# KiCad board pcb-panel.kicad_pcb (continued)
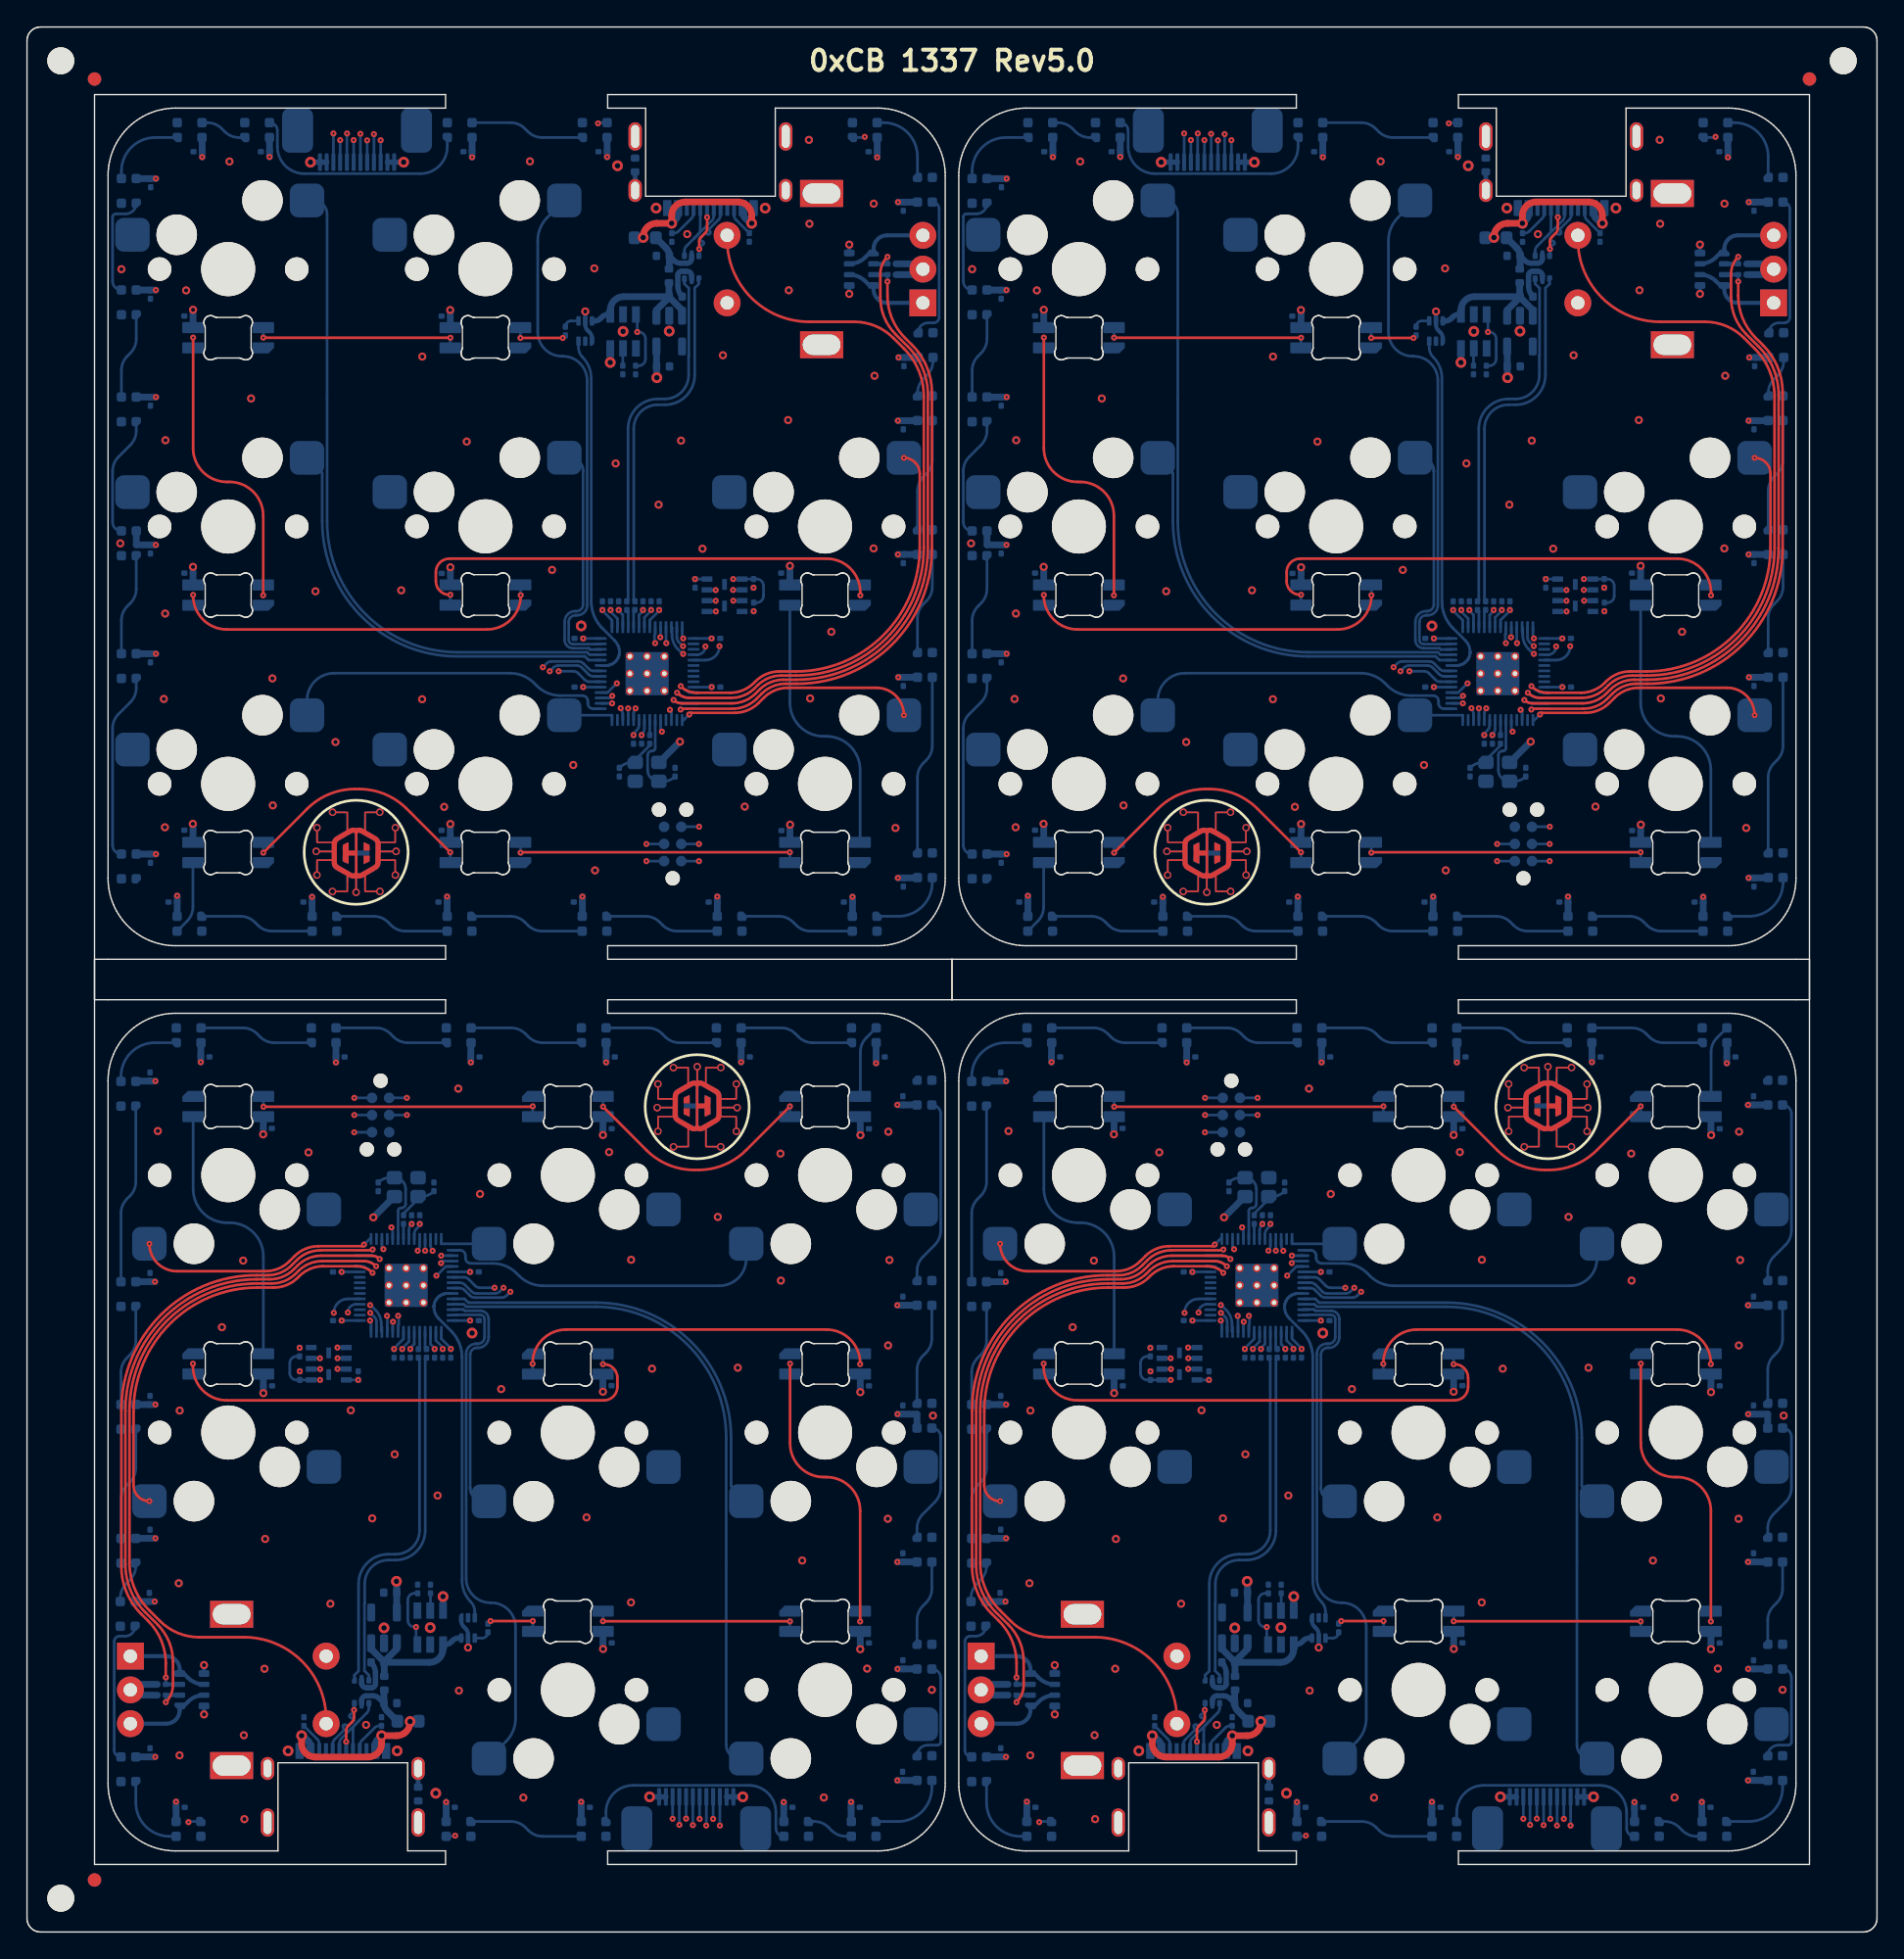
[diagram p0: board, top side]
## Nets (continued)
Board_2-/RGB_PWR: C1#2.1 C2#3.1 C3#3.1 C4#4.1 C5.1 C6#4.1 C9#3.1 C12#2.1 C13#4.1 C14#3.1 C15#4.1 C16#2.1 C18#3.1 C19#3.1 C20#3.1 C28#3.1 C29#4.1 C30#4.1 C31#4.1 C36#4.1 C41#3.1 C42#3.1 C43#2.1 C44#2.1 C45#3.1 C46#4.1 C47.1 C48#3.1 C49#3.1 C50#4.1 C51#3.1 D1#3.1 D2#4.1 D3#2.1 D4#3.1 D5.1 D6#3.1 D7#2.1 D8#4.1 D9#3.4 D10#3.4 D11#2.4 D12#4.4 D13#2.4 D14#3.4 D15#4.4 D16#3.4 D17#2.4 D18#4.4 D19.4 D20.4 D21#3.4 D22#4.4 D23#3.4 D24#3.4 D25.4 D26.4 D27#4.4 D28#4.4 D29.4 D30#2.4 D31#2.4 U3#3.6
Board_2-/RST: J3#2.3 U6#4.26
Board_2-/S1: MX1#2.2 U6#4.39
Board_2-/S2: MX2.2 U6#4.41
Board_2-/S3: MX3#3.S1 U6#4.12
Board_2-/S4: MX4#3.2 U6#4.38
Board_2-/S5: MX5#3.2 U6#4.40
Board_2-/S6: MX6#3.2 U6#4.11
Board_2-/S7: MX7#3.2 U6#4.29
Board_2-/S8: MX8#4.2 U6#4.28
Board_2-/S9: MX9#2.2 U6#4.15
Board_2-/SCL1: J2#3.4 U6#4.5
Board_2-/SDA1: J2#3.3 U6#4.4
Board_2-/SPI0_CS: J2#3.5 U6#4.32
Board_2-/SPI0_DC: J2#3.6 U6#4.30
Board_2-/SPI0_RST: J2#3.9 U6#4.36
Board_2-/SPI0_SCK: J2#3.10 U6#4.34
Board_2-/SPI0_SDI: J2#3.8 U6#4.31
Board_2-/SPI0_SDO: J2#3.7 U6#4.35
Board_2-/SWD_CLK: J3#2.4 U6#4.24
Board_2-/SWD_IO: J3#2.2 U6#4.25
Board_2-/USB+: R8#2.1 U1#3.1
Board_2-/USB-: R9#3.1 U1#3.3
Board_2-GND: C1#2.2 C2#3.2 C3#3.2 C4#4.2 C5.2 C6#4.2 C7#2.2 C8.2 C9#3.2 C10#3.2 C11.2 C12#2.2 C13#4.2 C14#3.2 C15#4.2 C16#2.2 C17#3.2 C18#3.2 C19#3.2 C20#3.2 C21#3.2 C22#3.1 C23#3.2 C24#4.2 C25#3.2 C26#4.1 C27#2.2 C28#3.2 C29#4.2 C30#4.2 C31#4.2 C32#4.2 C33#3.2 C34#2.2 C35#3.2 C36#4.2 C37#4.1 C38.2 C39#2.2 C40#3.1 C41#3.2 C42#3.2 C43#2.2 C44#2.2 C45#3.2 C46#4.2 C47.2 C48#3.2 C49#3.2 C50#4.2 C51#3.2 D1#3.3 D2#4.3 D3#2.3 D4#3.3 D5.3 D6#3.3 D7#2.3 D8#4.3 D9#3.2 D10#3.2 D11#2.2 D12#4.2 D13#2.2 D14#3.2 D15#4.2 D16#3.2 D17#2.2 D18#4.2 D19.2 D20.2 D21#3.2 D22#4.2 D23#3.2 D24#3.2 D25.2 D26.2 D27#4.2 D28#4.2 D29.2 D30#2.2 D31#2.2 FB1#4.2 J1#4.A1 J1#4.A12 J1#4.B1 J1#4.B12 J2#3.1 J2#3.2 J3#2.5 MX1#2.1 MX2.1 MX3#3.C MX3#3.S2 MX4#3.1 MX5#3.1 MX6#3.1 MX7#3.1 MX8#4.1 MX9#2.1 R1#3.1 R2#2.1 R4#2.1 R5#3.2 U1#3.2 U2#4.2 U3#3.2 U4#2.2 U5#4.4 U5#4.9 U5#4.10 U6#4.19 U6#4.57 Y1#3.2 Y1#3.4
Board_2-Net-(C40-Pad2): C40#3.2 R10.1 Y1#3.1
Board_2-Net-(D1-DIN): D1#3.4 D2#4.2
Board_2-Net-(D1-DOUT): D1#3.2 D3#2.4
Board_2-Net-(D3-DOUT): D3#2.2 D4#3.4
Board_2-Net-(D4-DOUT): D4#3.2 D5.4
Board_2-Net-(D5-DOUT): D5.2 D8#4.4
Board_2-Net-(D6-DIN): D6#3.4 D7#2.2
Board_2-Net-(D7-DIN): D7#2.4 D8#4.2
Board_2-Net-(D10-DIN): D9#3.1 D10#3.3
Board_2-Net-(D10-DOUT): D10#3.1 D11#2.3
Board_2-Net-(D11-DOUT): D11#2.1 D12#4.3
Board_2-Net-(D12-DOUT): D12#4.1 D13#2.3
Board_2-Net-(D13-DOUT): D13#2.1 D15#4.3
Board_2-Net-(D14-DIN): D14#3.3 D16#3.1
Board_2-Net-(D14-DOUT): D9#3.3 D14#3.1
Board_2-Net-(D15-DOUT): D15#4.1 D17#2.3
Board_2-Net-(D16-DIN): D16#3.3 D18#4.1
Board_2-Net-(D17-DOUT): D17#2.1 D19.3
Board_2-Net-(D18-DIN): D18#4.3 D20.1
Board_2-Net-(D19-DOUT): D19.1 D21#3.3
Board_2-Net-(D20-DIN): D20.3 D22#4.1
Board_2-Net-(D21-DOUT): D21#3.1 D23#3.3
Board_2-Net-(D22-DIN): D22#4.3 D24#3.1
Board_2-Net-(D23-DOUT): D23#3.1 D25.3
Board_2-Net-(D24-DIN): D24#3.3 D26.1
Board_2-Net-(D26-DIN): D26.3 D27#4.1
Board_2-Net-(D27-DIN): D27#4.3 D28#4.1
Board_2-Net-(D28-DIN): D28#4.3 D29.1
Board_2-Net-(D29-DIN): D29.3 D30#2.1
Board_2-Net-(D30-DIN): D30#2.3 D31#2.1
Board_2-Net-(D31-DIN): D6#3.2 D31#2.3
Board_2-Net-(F1-Pad1): F1.1 J1#4.A4 J1#4.A9 J1#4.B4 J1#4.B9
Board_2-Net-(J1-CC1): J1#4.A5 R2#2.2
Board_2-Net-(J1-CC2): J1#4.B5 R1#3.2
Board_2-Net-(J1-SHIELD): FB1#4.1 J1#4.S1
Board_2-Net-(RN1A-R1.1): MX3#3.B RN1#3.1 RN1#3.7
Board_2-Net-(RN1C-R3.2): MX3#3.A RN1#3.4 RN1#3.6
Board_2-Net-(U1-VBUS): C10#3.1 F1.2 FB2#3.1 U1#3.5
Board_2-Net-(U3-ILIM): R5#3.1 U3#3.5
Board_2-Net-(U4-B): R3#4.1 U4#2.4
Board_2-Net-(U6-XTAL_IN): C37#4.2 U6#4.20 Y1#3.3
Board_2-Net-(U6-XTAL_OUT): R10.2 U6#4.21
Board_2-unconnected-(D25-DOUT-Pad1): D25.1
Board_2-unconnected-(J1-SBU1-PadA8): J1#4.A8
Board_2-unconnected-(J1-SBU2-PadB8): J1#4.B8
Board_2-unconnected-(U2-NC-Pad4): U2#4.4
Board_2-unconnected-(U3-~{FAULT}-Pad4): U3#3.4
Board_2-unconnected-(U6-GPIO0-Pad2): U6#4.2
Board_2-unconnected-(U6-GPIO1-Pad3): U6#4.3
Board_2-unconnected-(U6-GPIO4-Pad6): U6#4.6
Board_2-unconnected-(U6-GPIO5-Pad7): U6#4.7
Board_2-unconnected-(U6-GPIO6-Pad8): U6#4.8
Board_2-unconnected-(U6-GPIO7-Pad9): U6#4.9
Board_2-unconnected-(U6-GPIO13-Pad16): U6#4.16
Board_2-unconnected-(U6-GPIO15-Pad18): U6#4.18
Board_2-unconnected-(U6-GPIO16-Pad27): U6#4.27
Board_3-+1V1: C22#4.2 C25#4.1 C39#3.1 U6.23 U6.45 U6.50
Board_3-+3V3: C17#4.1 C21#2.1 C23#4.1 C24#2.1 C26.2 C27#3.1 C32#2.1 C33#4.1 C34#4.1 C35.1 C38#2.1 J2#4.11 J2#4.12 J3#3.1 R7#3.1 RN1.5 RN1.8 U2.5 U4#4.1 U4#4.5 U5.8 U6.1 U6.10 U6.22 U6.33 U6.42 U6.43 U6.44 U6.48 U6.49
Board_3-+5V: C11#2.1 FB2#4.2 U2.1 U2.3 U3#2.1 U4#4.6
Board_3-/BOOT: J3#3.6 R6.2
Board_3-/D+: R8#4.2 U6.47
Board_3-/D-: R9#4.2 U6.46
Board_3-/EA: C7.1 RN1.2 U6.13
Board_3-/EB: C8#2.1 RN1.3 U6.14
Board_3-/LIM_EN: R4#4.2 U3#2.3 U6.17
Board_3-/PORT+: J1#3.A6 J1#3.B6 U1.6
Board_3-/PORT-: J1#3.A7 J1#3.B7 U1.4
Board_3-/QSPI_CLK: U5.6 U6.52
Board_3-/QSPI_CS: R6.1 R7#3.2 U5.1 U6.56
Board_3-/QSPI_SD0: U5.5 U6.53
Board_3-/QSPI_SD1: U5.2 U6.55
Board_3-/QSPI_SD2: U5.3 U6.54
Board_3-/QSPI_SD3: U5.7 U6.51
Board_3-/RGB_5V: D2.4 R3#3.2
Board_3-/RGB_DO: U4#4.3 U6.37
Board_3-/RGB_PWR: C1#4.1 C2#4.1 C3#2.1 C4#2.1 C5#3.1 C6#3.1 C9#4.1 C12.1 C13#2.1 C14#2.1 C15#3.1 C16#4.1 C18#4.1 C19#2.1 C20.1 C28#2.1 C29#3.1 C30.1 C31#3.1 C36.1 C41#4.1 C42#4.1 C43.1 C44.1 C45#4.1 C46.1 C47#4.1 C48#4.1 C49.1 C50.1 C51#4.1 D1#4.1 D2.1 D3#4.1 D4#4.1 D5#2.1 D6#4.1 D7.1 D8#3.1 D9#4.4 D10#4.4 D11#4.4 D12#2.4 D13#4.4 D14.4 D15.4 D16#2.4 D17#3.4 D18.4 D19#3.4 D20#4.4 D21#4.4 D22#3.4 D23#4.4 D24#4.4 D25#2.4 D26#2.4 D27#2.4 D28#2.4 D29#4.4 D30#4.4 D31#3.4 U3#2.6
Board_3-/RST: J3#3.3 U6.26
Board_3-/S1: MX1#4.2 U6.39
Board_3-/S2: MX2#3.2 U6.41
Board_3-/S3: MX3.S1 U6.12
Board_3-/S4: MX4#4.2 U6.38
Board_3-/S5: MX5#4.2 U6.40
Board_3-/S6: MX6#4.2 U6.11
Board_3-/S7: MX7#4.2 U6.29
Board_3-/S8: MX8.2 U6.28
Board_3-/S9: MX9#3.2 U6.15
Board_3-/SCL1: J2#4.4 U6.5
Board_3-/SDA1: J2#4.3 U6.4
Board_3-/SPI0_CS: J2#4.5 U6.32
Board_3-/SPI0_DC: J2#4.6 U6.30
Board_3-/SPI0_RST: J2#4.9 U6.36
Board_3-/SPI0_SCK: J2#4.10 U6.34
Board_3-/SPI0_SDI: J2#4.8 U6.31
Board_3-/SPI0_SDO: J2#4.7 U6.35
Board_3-/SWD_CLK: J3#3.4 U6.24
Board_3-/SWD_IO: J3#3.2 U6.25
Board_3-/USB+: R8#4.1 U1.1
Board_3-/USB-: R9#4.1 U1.3
Board_3-GND: C1#4.2 C2#4.2 C3#2.2 C4#2.2 C5#3.2 C6#3.2 C7.2 C8#2.2 C9#4.2 C10#4.2 C11#2.2 C12.2 C13#2.2 C14#2.2 C15#3.2 C16#4.2 C17#4.2 C18#4.2 C19#2.2 C20.2 C21#2.2 C22#4.1 C23#4.2 C24#2.2 C25#4.2 C26.1 C27#3.2 C28#2.2 C29#3.2 C30.2 C31#3.2 C32#2.2 C33#4.2 C34#4.2 C35.2 C36.2 C37.1 C38#2.2 C39#3.2 C40#4.1 C41#4.2 C42#4.2 C43.2 C44.2 C45#4.2 C46.2 C47#4.2 C48#4.2 C49.2 C50.2 C51#4.2 D1#4.3 D2.3 D3#4.3 D4#4.3 D5#2.3 D6#4.3 D7.3 D8#3.3 D9#4.2 D10#4.2 D11#4.2 D12#2.2 D13#4.2 D14.2 D15.2 D16#2.2 D17#3.2 D18.2 D19#3.2 D20#4.2 D21#4.2 D22#3.2 D23#4.2 D24#4.2 D25#2.2 D26#2.2 D27#2.2 D28#2.2 D29#4.2 D30#4.2 D31#3.2 FB1#3.2 J1#3.A1 J1#3.A12 J1#3.B1 J1#3.B12 J2#4.1 J2#4.2 J3#3.5 MX1#4.1 MX2#3.1 MX3.C MX3.S2 MX4#4.1 MX5#4.1 MX6#4.1 MX7#4.1 MX8.1 MX9#3.1 R1#4.1 R2#4.1 R4#4.1 R5#4.2 U1.2 U2.2 U3#2.2 U4#4.2 U5.4 U5.9 U5.10 U6.19 U6.57 Y1#4.2 Y1#4.4
Board_3-Net-(C40-Pad2): C40#4.2 R10#2.1 Y1#4.1
Board_3-Net-(D1-DIN): D1#4.4 D2.2
Board_3-Net-(D1-DOUT): D1#4.2 D3#4.4
Board_3-Net-(D3-DOUT): D3#4.2 D4#4.4
Board_3-Net-(D4-DOUT): D4#4.2 D5#2.4
Board_3-Net-(D5-DOUT): D5#2.2 D8#3.4
Board_3-Net-(D6-DIN): D6#4.4 D7.2
Board_3-Net-(D7-DIN): D7.4 D8#3.2
Board_3-Net-(D10-DIN): D9#4.1 D10#4.3
Board_3-Net-(D10-DOUT): D10#4.1 D11#4.3
Board_3-Net-(D11-DOUT): D11#4.1 D12#2.3
Board_3-Net-(D12-DOUT): D12#2.1 D13#4.3
Board_3-Net-(D13-DOUT): D13#4.1 D15.3
Board_3-Net-(D14-DIN): D14.3 D16#2.1
Board_3-Net-(D14-DOUT): D9#4.3 D14.1
Board_3-Net-(D15-DOUT): D15.1 D17#3.3
Board_3-Net-(D16-DIN): D16#2.3 D18.1
Board_3-Net-(D17-DOUT): D17#3.1 D19#3.3
Board_3-Net-(D18-DIN): D18.3 D20#4.1
Board_3-Net-(D19-DOUT): D19#3.1 D21#4.3
Board_3-Net-(D20-DIN): D20#4.3 D22#3.1
Board_3-Net-(D21-DOUT): D21#4.1 D23#4.3
Board_3-Net-(D22-DIN): D22#3.3 D24#4.1
Board_3-Net-(D23-DOUT): D23#4.1 D25#2.3
Board_3-Net-(D24-DIN): D24#4.3 D26#2.1
Board_3-Net-(D26-DIN): D26#2.3 D27#2.1
Board_3-Net-(D27-DIN): D27#2.3 D28#2.1
Board_3-Net-(D28-DIN): D28#2.3 D29#4.1
Board_3-Net-(D29-DIN): D29#4.3 D30#4.1
Board_3-Net-(D30-DIN): D30#4.3 D31#3.1
Board_3-Net-(D31-DIN): D6#4.2 D31#3.3
Board_3-Net-(F1-Pad1): F1#3.1 J1#3.A4 J1#3.A9 J1#3.B4 J1#3.B9
Board_3-Net-(J1-CC1): J1#3.A5 R2#4.2
Board_3-Net-(J1-CC2): J1#3.B5 R1#4.2
Board_3-Net-(J1-SHIELD): FB1#3.1 J1#3.S1
Board_3-Net-(RN1A-R1.1): MX3.B RN1.1 RN1.7
Board_3-Net-(RN1C-R3.2): MX3.A RN1.4 RN1.6
Board_3-Net-(U1-VBUS): C10#4.1 F1#3.2 FB2#4.1 U1.5
Board_3-Net-(U3-ILIM): R5#4.1 U3#2.5
Board_3-Net-(U4-B): R3#3.1 U4#4.4
Board_3-Net-(U6-XTAL_IN): C37.2 U6.20 Y1#4.3
Board_3-Net-(U6-XTAL_OUT): R10#2.2 U6.21
Board_3-unconnected-(D25-DOUT-Pad1): D25#2.1
Board_3-unconnected-(J1-SBU1-PadA8): J1#3.A8
Board_3-unconnected-(J1-SBU2-PadB8): J1#3.B8
Board_3-unconnected-(U2-NC-Pad4): U2.4
Board_3-unconnected-(U3-~{FAULT}-Pad4): U3#2.4
Board_3-unconnected-(U6-GPIO0-Pad2): U6.2
Board_3-unconnected-(U6-GPIO1-Pad3): U6.3
Board_3-unconnected-(U6-GPIO4-Pad6): U6.6
Board_3-unconnected-(U6-GPIO5-Pad7): U6.7
Board_3-unconnected-(U6-GPIO6-Pad8): U6.8
Board_3-unconnected-(U6-GPIO7-Pad9): U6.9
Board_3-unconnected-(U6-GPIO13-Pad16): U6.16
Board_3-unconnected-(U6-GPIO15-Pad18): U6.18
Board_3-unconnected-(U6-GPIO16-Pad27): U6.27

Pads without a net: J1 S2 S3 S4; J1#2 S2 S3 S4; J1#3 S2 S3 S4; J1#4 S2 S3 S4; J2 13 14; J2#2 13 14; J2#3 13 14; J2#4 13 14; MX3 MP; MX3#2 MP; MX3#3 MP; MX3#4 MP

## Via types
v1: diameter 0.45, hole 0.15, Top to Bottom, 416 vias
v2: diameter 0.8, hole 0.4, Top to Bottom, 52 vias
v3: diameter 0.6, hole 0.3, Top to Bottom, 208 vias

## Routing (per net, layer and track width the routed paths; a pad name or vN(x,y) marks a point on that pad's centre or on a via; arc(x,y) is an arc through that point)
Board_0-+1V1: length 4.2
  Bottom w0.2: U6#3.50 46.12,97.1 46.82,97.8 v1(46.82,97.85) C25.1 ; U6#3.45 44.12,97.49 43.82,97.8 v1(43.82,97.85) C22.2 ; U6#3.23 45.32,89.35 arc(45.28,89.13) 45.15,88.94 44.92,88.71 v1(44.92,88.6) C39#4.1
Board_0-+3V3: length 21.7
  Bottom w0.2: U6#3.10 50.7,92.14 v1(50.7,92.15) ; v1(41.19,95.75) 41.19,95.74 U6#3.42 ; U6#3.49 45.72,97.3 46.22,97.8 v1(46.22,97.85) C21#4.1 ; U5#2.8 49.47,100.14 v1(49.47,100.14) ; v1(50.7,95.75) 50.69,95.74 U6#3.1 ; C23.1 v1(45.62,97.85) 45.62,97.77 45.32,97.48 U6#3.48 ; U6#3.44 43.72,97.22 43.22,97.72 v1(43.22,97.85) C26#2.2 ; v1(45.87,79.26) 47.18,79.26 ; U6#3.33 41.19,92.14 v1(41.19,92.15) ; U6#3.43 43.32,97.09 42.62,97.8 v1(42.62,97.85) ; C38#4.1 v1(45.52,88.6) arc(45.67,88.82) 45.72,89.09 U6#3.22
  Bottom w0.3: U4#3.1 41.84,117.97 arc(41.8,118.2) 41.67,118.4 41.52,118.55 arc(41.39,118.74) 41.34,118.97 U4#3.5 v3(41.34,119.95) ; RN1#4.5 v3(60.89,121.25) ; v3(60.89,124.9) RN1#4.8
  Bottom w0.35: 46.62,117.34 U2#2.5
  Bottom w0.4: v2(27.89,131) J2.12 J2.11
  Bottom w0.5: 46.62,117.34 C17.1 46.62,115.07 v2(46.64,115.05)
  vias: v1(53.8,99.5)
Board_0-+5V: length 11.5
  Bottom w0.4: U4#3.6 42.05,119.25 arc(42.28,119.29) 42.47,119.42 42.6,119.55 arc(42.79,119.68) 43.02,119.73 U3#4.1
  Bottom w0.5: U3#4.1 43.19,120.05 arc(43.48,120.75) 44.19,121.05 C11#4.1 ; 47.58,121.11 47.58,121.02 46.61,120.05 U2#2.1 ; 47.58,121.11 47.58,120.98 48.51,120.05 U2#2.3 ; 47.58,121.11 47.54,121.15 FB2.2
Board_0-/BOOT: length 19.6
  In2.Cu w0.2: v1(53.81,97.76) 53.81,89.36 arc(53.24,87.99) 51.87,87.42 arc(50.39,86.81) 49.77,85.32 v1(49.77,81.81)
  Bottom w0.2: J3#4.6 48.46,81.81 v1(49.77,81.81) ; R6#4.2 v1(53.81,97.76)
Board_0-/D+: length 1.3
  Bottom w0.2: R8#3.2 44.92,97.76 U6#3.47
Board_0-/D-: length 1.3
  Bottom w0.2: R9.2 44.52,97.75 U6#3.46
Board_0-/EA: length 50.8
  Top w0.2: v1(47.88,91.19) arc(48.16,91.01) 48.48,90.94 52.2,90.94 arc(53.15,91.13) 53.96,91.67 54.25,91.96 arc(55.06,92.5) 56.02,92.69 56.97,92.69 arc(63.86,95.54) 66.71,102.43 66.71,113.8 arc(66.33,115.71) 65.25,117.33 64.32,118.26 arc(63.49,119.51) 63.19,120.99 63.19,122.71 arc(63.33,123.4) v1(63.72,123.99)
  Bottom w0.2: U6#3.13 48.48,90.94 arc(48.16,91.01) v1(47.88,91.19) ; v1(63.72,123.99) C7#4.1
  Bottom w0.3: RN1#4.2 C7#4.1
Board_0-/EB: length 48.1
  Top w0.2: v1(48.4,90.48) 48.46,90.54 52.26,90.54 arc(53.21,90.73) 54.02,91.27 54.41,91.66 arc(55.22,92.2) 56.18,92.39 57.01,92.39 arc(64.08,95.32) 67.01,102.39 67.01,113.92 arc(66.63,115.83) 65.55,117.46 65.01,117.99 arc(64.06,119.42) 63.72,121.11 v1(63.72,122.16)
  Bottom w0.2: v1(48.4,90.48) 48.46,90.54 U6#3.14 ; v1(63.72,122.16) C8#3.1
  Bottom w0.3: C8#3.1 RN1#4.3
Board_0-/LIM_EN: length 35.2
  In1.Cu w0.2: v1(45.19,118.43) 45.19,92.08 arc(45.67,90.94) 46.81,90.46 v1(47.61,90.46)
  Bottom w0.2: v1(47.61,90.46) 47.72,90.35 U6#3.17 ; U3#4.3 45.19,119.63 v1(45.19,118.43) 45.3,118.43 arc(45.65,118.28) 45.8,117.93 45.8,116.43 arc(45.65,116.08) 45.3,115.93 R4#3.2
Board_0-/PORT+: length 8.1
  Top w0.2: v1(49.78,124.57) 49.78,125.1 arc(49.82,125.3) 49.93,125.46 50.22,125.75 arc(50.33,125.91) 50.36,126.1 v1(50.36,126.92)
  Bottom w0.2: J1#2.B6 51.36,127.1 arc(51.32,126.91) 51.21,126.74 50.57,126.1 arc(50.53,126) 50.57,125.9 arc(50.61,125.8) 50.57,125.7 50.56,125.69 arc(50.46,125.64) 50.36,125.69 arc(50.26,125.73) 50.16,125.69 49.78,125.31 arc(49.82,125.2) 49.93,125.16 49.97,125.16 arc(50.08,125.12) 50.12,125.01 arc(50.08,124.9) 49.97,124.86 49.93,124.86 arc(49.82,124.82) 49.78,124.71 v1(49.78,124.57) 49.78,124.09 U1#4.6 ; J1#2.A6 50.36,126.92 v1(50.36,126.92)
Board_0-/PORT-: length 6.8
  Bottom w0.2: J1#2.A7 50.86,127.02 arc(50.82,126.83) 50.71,126.67 49.4,125.35 ; 49.4,125.35 49.71,125.67 arc(49.82,125.83) 49.86,126.02 J1#2.B7 ; 49.4,125.35 48.83,124.78 arc(48.72,124.62) 48.68,124.43 U1#4.4
Board_0-/QSPI_CLK: length 8.8
  In1.Cu w0.2: v1(51,98.53) 50.26,98.53 arc(50.16,98.57) 50.12,98.67 arc(50.08,98.77) 49.98,98.81 49.95,98.81 arc(49.85,98.77) 49.81,98.67 49.81,98.43 arc(49.78,98.36) 49.71,98.33 49.61,98.33 arc(49.54,98.36) 49.51,98.43 arc(49.48,98.5) 49.41,98.53 48.91,98.53 arc(48.87,98.43) 48.91,98.34 arc(48.95,98.24) 48.91,98.14 48.89,98.11 arc(48.79,98.07) 48.69,98.11 48.51,98.29 arc(48.43,98.33) 48.35,98.29 48.3,98.24 arc(48.27,98.16) 48.3,98.08 arc(48.33,98) 48.3,97.92 48.26,97.88 arc(48.18,97.84) 48.1,97.88 arc(48.02,97.91) 47.94,97.88 47.89,97.82 arc(47.85,97.74) 47.89,97.66 arc(47.92,97.59) 47.89,97.51 47.83,97.45 arc(47.75,97.42) 47.68,97.45 arc(47.6,97.49) 47.52,97.45 47.46,97.4 arc(47.43,97.32) 47.46,97.24 arc(47.5,97.16) 47.46,97.08 47.23,96.85 arc(46.98,96.48) 46.9,96.04 v1(46.9,95.83)
  Bottom w0.2: U6#3.52 46.92,95.86 v1(46.9,95.83) ; v1(51,98.53) 50.99,98.54 U5#2.6
Board_0-/QSPI_CS: length 12.4
  In1.Cu w0.2: v1(52.3,100.14) 52.02,99.86 arc(51.61,99.24) 51.46,98.51 51.46,97.78 arc(51.43,97.6) 51.33,97.46 51.29,97.42 arc(51.18,97.34) 51.04,97.32 49.66,97.32 49.61,97.27 arc(49.58,97.2) 49.61,97.13 arc(49.64,97.05) 49.61,96.98 49.54,96.91 arc(49.47,96.88) 49.39,96.91 49.25,97.05 arc(49.18,97.08) 49.11,97.05 49.01,96.95 arc(48.98,96.88) 49.01,96.81 arc(49.04,96.74) 49.01,96.67 48.74,96.4 arc(48.63,96.24) 48.6,96.05 v1(48.6,95.75)
  Bottom w0.2: v1(48.6,95.75) 48.52,95.82 U6#3.56 ; v1(52.3,100.14) 52.3,100.14 U5#2.1 52.96,100.14 R7#4.2 54.04,100.14 arc(54.39,99.99) 54.54,99.64 54.54,98.9 arc(54.39,98.54) 54.04,98.4 R6#4.1
Board_0-/QSPI_SD0: length 8.8
  In1.Cu w0.2: v1(51.01,97.74) 50.3,97.74 arc(50.2,97.78) 50.15,97.89 arc(50.11,97.99) 50.01,98.03 50,98.03 arc(49.9,97.99) 49.85,97.89 arc(49.81,97.78) 49.71,97.74 49.7,97.74 arc(49.6,97.78) 49.55,97.89 arc(49.51,97.99) 49.41,98.04 49.4,98.04 arc(49.29,97.99) 49.25,97.89 49.25,97.59 arc(49.21,97.49) 49.1,97.45 49.1,97.45 arc(48.99,97.49) 48.95,97.59 arc(48.91,97.7) 48.8,97.74 48.73,97.74 48.48,97.49 arc(48.44,97.39) 48.48,97.29 arc(48.53,97.18) 48.48,97.08 48.48,97.07 arc(48.38,97.03) 48.27,97.07 arc(48.17,97.12) 48.06,97.07 48.06,97.07 arc(48.02,96.96) 48.06,96.86 arc(48.1,96.76) 48.06,96.65 48.06,96.65 arc(47.95,96.61) 47.85,96.65 arc(47.74,96.69) 47.64,96.65 47.63,96.64 arc(47.4,96.3) 47.32,95.89 47.32,95.41 v1(47.34,95.4)
  Bottom w0.2: U5#2.5 51.01,97.74 v1(51.01,97.74) ; U6#3.53 47.32,96.58 47.32,95.41 v1(47.34,95.4)
Board_0-/QSPI_SD1: length 8.6
  In1.Cu w0.2: v1(48.58,95.18) 48.63,95.18 49.24,95.79 arc(49.28,95.89) 49.24,96 arc(49.19,96.1) 49.24,96.21 arc(49.34,96.25) 49.45,96.21 arc(49.55,96.17) 49.66,96.21 50.02,96.57 arc(50.32,96.77) 50.68,96.84 50.81,96.84 arc(51.13,96.9) 51.41,97.09 51.5,97.18 arc(51.78,97.61) 51.88,98.11 51.88,98.53 arc(51.96,98.89) 52.16,99.2 v1(52.29,99.33)
  Bottom w0.2: U5#2.2 52.3,99.34 v1(52.29,99.33) ; U6#3.55 48.12,95.82 arc(48.16,95.64) 48.26,95.48 48.57,95.18 v1(48.58,95.18)
Board_0-/QSPI_SD2: length 8.7
  In1.Cu w0.2: v1(52.31,98.54) 52.31,98.43 arc(52.15,97.63) 51.7,96.95 51.26,96.52 arc(51.02,96.36) 50.74,96.3 arc(50.34,96.22) 50.01,96 48.61,94.6 v1(48.59,94.6)
  Bottom w0.2: v1(52.31,98.54) U5#2.3 ; U6#3.54 47.77,96.53 47.77,95.99 arc(47.88,95.44) 48.19,94.97 48.56,94.6 v1(48.59,94.6)
Board_0-/QSPI_SD3: length 8.8
  In1.Cu w0.2: v1(51,99.32) 49.5,99.32 arc(48.94,99.21) 48.46,98.89 46.87,97.3 arc(46.58,96.86) 46.47,96.34 46.47,95.44 v1(46.52,95.4)
  Bottom w0.2: v1(51,99.32) 50.98,99.34 U5#2.7 ; U6#3.51 46.52,96.08 46.47,96.03 46.47,95.44 v1(46.52,95.4)
Board_0-/RGB_5V: length 4.2
  Top w0.2: v1(39.68,117.99) v1(36.54,117.99)
  Bottom w0.2: D2#2.4 36.54,118.75 v1(36.54,117.99) ; v1(39.68,117.99) R3#2.2
Board_0-/RGB_DO: length 25.9
  Bottom w0.2: U6#3.37 42.86,93.74 arc(42.87,93.74) 42.87,93.74 42.92,93.74 arc(42.93,93.74) 42.93,93.74 42.95,93.74 42.99,93.75 43.01,93.75 arc(43.01,93.75) 43.02,93.75 43.11,93.77 arc(43.11,93.77) 43.12,93.77 43.14,93.78 43.18,93.79 43.2,93.8 arc(43.21,93.8) 43.21,93.8 43.29,93.84 arc(43.3,93.84) 43.3,93.84 43.32,93.85 43.36,93.87 43.38,93.88 arc(43.38,93.88) 43.39,93.89 43.46,93.94 arc(43.47,93.94) 43.47,93.94 43.49,93.95 43.52,93.98 43.54,94 arc(43.54,94) 43.55,94 43.61,94.07 arc(43.61,94.07) 43.61,94.07 43.63,94.09 43.66,94.13 43.67,94.14 arc(43.67,94.15) 43.68,94.15 43.72,94.22 arc(43.73,94.23) 43.73,94.23 43.74,94.25 43.76,94.29 43.77,94.31 arc(43.77,94.31) 43.78,94.32 43.81,94.4 arc(43.81,94.4) 43.81,94.41 43.82,94.43 43.83,94.47 43.84,94.49 arc(43.84,94.5) 43.84,94.5 43.86,94.6 arc(43.86,94.6) 43.86,94.6 43.86,94.62 43.87,94.66 43.87,94.68 arc(43.87,94.69) 43.87,94.69 43.87,94.73 arc(43.87,94.74) 43.87,94.74 43.87,94.78 arc(43.86,94.86) 43.85,94.95 43.84,94.99 arc(43.82,95.09) 43.79,95.18 43.77,95.22 arc(43.73,95.3) 43.68,95.39 43.65,95.43 arc(43.6,95.5) 43.54,95.56 43.53,95.58 arc(43.52,95.58) 43.52,95.59 42.61,96.5 arc(42.6,96.5) 42.6,96.51 42.53,96.58 arc(42.5,96.62) 42.46,96.66 42.33,96.82 arc(42.3,96.86) 42.27,96.91 42.16,97.08 arc(42.13,97.13) 42.11,97.18 42.02,97.36 arc(41.99,97.42) 41.97,97.47 41.91,97.66 arc(41.89,97.71) 41.88,97.77 41.83,97.97 arc(41.82,98.02) 41.81,98.08 41.79,98.29 arc(41.78,98.33) 41.78,98.38 41.78,98.49 arc(41.78,98.49) 41.78,98.5 41.78,115.01 arc(41.61,115.85) 41.13,116.57 arc(40.92,116.89) 40.84,117.27 U4#3.3
Board_0-/RGB_PWR: length 46
  Bottom w0.5: v1(9.55,113.61) 8.1,113.61 ; v1(64.5,101.96) 65.94,101.96 ; 8.1,129.78 v1(9.55,129.78) ; v1(51.12,76.64) 51.12,75.19 ; D7#4.1 31.35,82.01 v3(31.35,82.01) ; 8.1,79.78 v1(9.55,79.78) ; 21.11,75.17 v1(21.11,76.62) ; 32.96,132.81 v1(32.96,131.37) ; v1(42.96,131.39) 42.96,132.83 ; v1(17.96,131.39) 17.96,132.83 ; v3(31.34,120.05) 31.35,120.05 D2#2.1 ; D8#2.1 56.5,81.95 v3(56.51,81.96) ; 41.13,75.19 v1(41.13,76.64) ; v1(62.96,131.36) 62.96,132.8 ; D3.1 12.3,101.04 v3(12.29,101.04) ; v1(11.12,76.69) 11.12,75.25 ; D16#4.4 v1(64.55,116.54) ; v2(43.19,116.17) U3#4.6 ; v1(64.51,128.04) 65.95,128.04 ; v1(9.55,94.61) 8.1,94.61 ; v3(12.3,120.07) D1.1 ; D21.4 8.09,102.67 v1(9.54,102.67) ; v3(12.28,82.02) 12.3,82.01 D6.1 ; 8.09,121.53 v1(9.54,121.53) ; v1(61.13,76.62) 61.13,75.17 ; v1(64.53,92.87) 65.97,92.87 ; v3(56.5,101.12) D5#4.1 ; 12.97,132.82 v1(12.97,131.38) ; 65.94,111.86 v1(64.5,111.86) ; v1(64.5,78.02) 65.94,78.02 ; 31.11,75.19 v1(31.11,76.64) ; D4.1 v3(31.35,101.01)
Board_0-/RST: length 12.9
  In1.Cu w0.2: v1(43.97,90.58) arc(43.89,90.47) 43.86,90.33 43.86,85.38 arc(44.38,82.75) v1(45.87,80.53)
  Bottom w0.2: v1(45.87,80.53) 47.18,80.53 ; v1(43.97,90.58) 43.97,90.52 43.97,90.51 arc(44.08,90.35) 44.12,90.16 U6#3.26
Board_0-/S1: length 50.7
  Bottom w0.2: U6#3.39 41.65,94.54 41.47,94.72 31.9,94.72 arc(25.06,97.56) 22.22,104.4 22.22,127.16 arc(21.93,127.87) 21.22,128.16 MX1.2
Board_0-/S2: length 38.7
  Bottom w0.2: MX2#4.2 38.53,126.9 arc(38.01,126.12) 37.82,125.19 37.82,118.43 arc(38.35,117.16) 39.62,116.63 39.68,116.63 arc(40.95,116.1) 41.48,114.83 41.48,98.19 arc(41.27,97.68) 40.75,97.46 40.62,97.46 arc(40.26,97.31) 40.12,96.96 40.12,95.64 arc(40.21,95.41) 40.44,95.32 42.46,95.32 U6#3.41
Board_0-/S3: length 58.2
  Top w0.2: MX3#4.S1 51.85,125.28 arc(53.63,120.97) 57.94,119.18 61.26,119.18 arc(62.83,118.87) 64.16,117.98 64.95,117.19 arc(66.03,115.57) 66.41,113.66 66.41,102.45 arc(63.65,95.77) 56.96,93 55.87,93 arc(54.91,92.81) 54.1,92.27 53.9,92.07 arc(53.09,91.53) 52.14,91.34 49.07,91.34 arc(48.57,91.44) v1(48.15,91.73)
  Bottom w0.2: U6#3.12 49.07,91.34 arc(48.57,91.44) v1(48.15,91.73)
Board_0-/S4: length 31.6
  Bottom w0.2: MX4.2 21.86,107.99 21.86,104.42 arc(24.79,97.35) 31.86,94.42 41.31,94.42 41.59,94.14 U6#3.38
Board_0-/S5: length 18.3
  Bottom w0.2: U6#3.40 42.46,94.92 41.7,94.92 41.6,95.02 40.42,95.02 arc(39.99,95.2) 39.82,95.63 39.82,96.98 arc(40.05,97.53) 40.6,97.76 40.75,97.76 arc(41.06,97.93) 41.18,98.26 41.18,108.12 arc(41.18,108.12) 41.18,108.13 41.18,108.18 arc(41.18,108.22) 41.17,108.26 41.15,108.36 arc(41.14,108.41) 41.12,108.46 41.08,108.55 arc(41.06,108.59) 41.04,108.63 40.98,108.72 arc(40.95,108.76) 40.92,108.79 40.85,108.86 arc(40.82,108.89) 40.78,108.92 40.69,108.98 arc(40.65,109) 40.61,109.02 40.52,109.06 arc(40.47,109.08) 40.42,109.09 40.32,109.11 arc(40.28,109.12) 40.24,109.12 40.19,109.12 arc(40.18,109.12) 40.18,109.12 MX5.2
Board_0-/S6: length 31.9
  Top w0.2: v1(64.94,109.11) arc(65.77,108.77) 66.11,107.94 66.11,102.48 arc(63.42,95.99) 56.93,93.3 55.72,93.3 arc(54.76,93.11) 53.95,92.57 53.83,92.45 arc(53.02,91.91) 52.07,91.72 49.59,91.72 arc(48.95,91.85) v1(48.41,92.21)
  Bottom w0.2: v1(48.41,92.21) 48.54,92.08 arc(48.92,91.83) U6#3.11
Board_0-/S7: length 25.1
  Bottom w0.2: U6#3.29 41.93,90.54 arc(41.65,90.66) 41.53,90.94 41.53,91.11 arc(41.41,91.39) 41.13,91.51 39.52,91.51 arc(38.56,91.7) 37.75,92.24 37.55,92.44 arc(36.74,92.98) 35.79,93.17 22.74,93.17 arc(21.32,92.58) 20.74,91.17 MX7.2
Board_0-/S8: length 3.9
  Bottom w0.2: U6#3.28 43.32,90.06 MX8#3.2
Board_0-/S9: length 18.3
  Top w0.2: v1(49.04,90.12) 49.17,90.24 52.42,90.24 arc(53.37,90.43) 54.18,90.97 54.57,91.36 arc(55.38,91.9) 56.34,92.09 62.91,92.09 arc(64.34,91.5) v1(64.94,90.06)
  Bottom w0.2: v1(49.04,90.12) 48.63,89.7 U6#3.15
Board_0-/SCL1: length 66.6
  In2.Cu w0.2: v1(23.19,132.63) 23,132.44 23,106.52 arc(25.85,99.63) 32.74,96.78 37.66,96.78 arc(39.12,97.07) 40.35,97.9 40.39,97.93 arc(41.77,98.86) 43.4,99.18 45.9,99.18 arc(47.8,98.8) 49.42,97.72 50.79,96.35 arc(51.15,95.81) v1(51.28,95.17)
  Bottom w0.2: J2.4 v1(23.19,132.63) ; U6#3.5 50.25,94.14 arc(50.98,94.44) v1(51.28,95.17)
Board_0-/SDA1: length 65.9
  In2.Cu w0.2: v1(22.69,133.12) 22.69,106.48 arc(25.62,99.41) 32.69,96.48 37.7,96.48 arc(39.23,96.79) 40.54,97.66 40.57,97.69 arc(41.89,98.57) 43.44,98.88 45.85,98.88 arc(47.68,98.52) 49.24,97.48 49.72,97 arc(50.1,96.42) 50.24,95.73 v1(50.24,95.15)
  Bottom w0.2: U6#3.4 49.63,94.54 arc(50.06,94.72) v1(50.24,95.15) ; J2.3 v1(22.69,133.12)
Board_0-/SPI0_CS: length 59.2
  In1.Cu w0.2: v1(43.68,92.42) 43.13,92.97 arc(42.81,93.18) 42.43,93.26 40.19,93.26 arc(40,93.22) 39.84,93.11 39.76,93.04 arc(39.6,92.93) 39.41,92.89 34.53,92.89 arc(27.86,95.66) 25.09,102.33 25.09,130.01 arc(24.91,130.91) 24.41,131.66 24,132.08 arc(23.78,132.4) 23.7,132.79 v1(23.7,133.12)
  Bottom w0.2: J2.5 23.69,133.11 v1(23.7,133.12) ; U6#3.32 42.99,91.74 43.67,92.42 v1(43.68,92.42)
Board_0-/SPI0_DC: length 63.2
  In1.Cu w0.2: v1(24.19,132.63) 24.19,133.15 arc(24.07,133.43) 23.79,133.55 22.64,133.55 arc(22.52,133.52) 22.42,133.46 22.38,133.41 arc(22.3,133.28) 22.27,133.13 22.27,133.09 arc(22.29,132.96) 22.37,132.85 24.5,130.71 arc(24.71,130.39) 24.79,130.01 24.79,102.3 arc(27.64,95.44) 34.5,92.59 39.53,92.59 arc(39.72,92.63) 39.88,92.74 39.96,92.81 arc(40.12,92.92) 40.31,92.96 42.06,92.96 arc(42.44,92.88) 42.76,92.67 43.66,91.77 arc(43.74,91.66) 43.77,91.52 43.77,91.45 arc(43.74,91.32) 43.67,91.22 43.39,90.94 v1(43.33,90.94)
  Bottom w0.2: J2.6 v1(24.19,132.63) ; v1(43.33,90.94) 43.33,90.94 U6#3.30
Board_0-/SPI0_RST: length 55.1
  In1.Cu w0.2: v1(25.69,133.07) 25.69,102.38 arc(28.29,96.09) 34.58,93.49 37.9,93.49 arc(38.06,93.52) v1(38.2,93.62)
  Bottom w0.2: v1(38.2,93.62) 38.48,93.9 arc(38.65,94.01) 38.84,94.04 40.85,94.04 arc(41.04,94.01) 41.2,93.9 41.61,93.49 arc(41.77,93.38) 41.96,93.34 U6#3.36 ; J2.9 v1(25.69,133.07)
Board_0-/SPI0_SCK: length 53.9
  In1.Cu w0.2: v1(39.37,93.32) 38.86,93.83 arc(38.62,93.99) 38.35,94.04 38.17,94.04 arc(38.04,94.01) 37.93,93.94 37.89,93.9 arc(37.76,93.82) 37.62,93.79 34.61,93.79 arc(28.51,96.31) 25.99,102.41 25.99,132.14 arc(26.04,132.4) v1(26.19,132.62)